# Allegro board 6089-103-RevB_76.brd
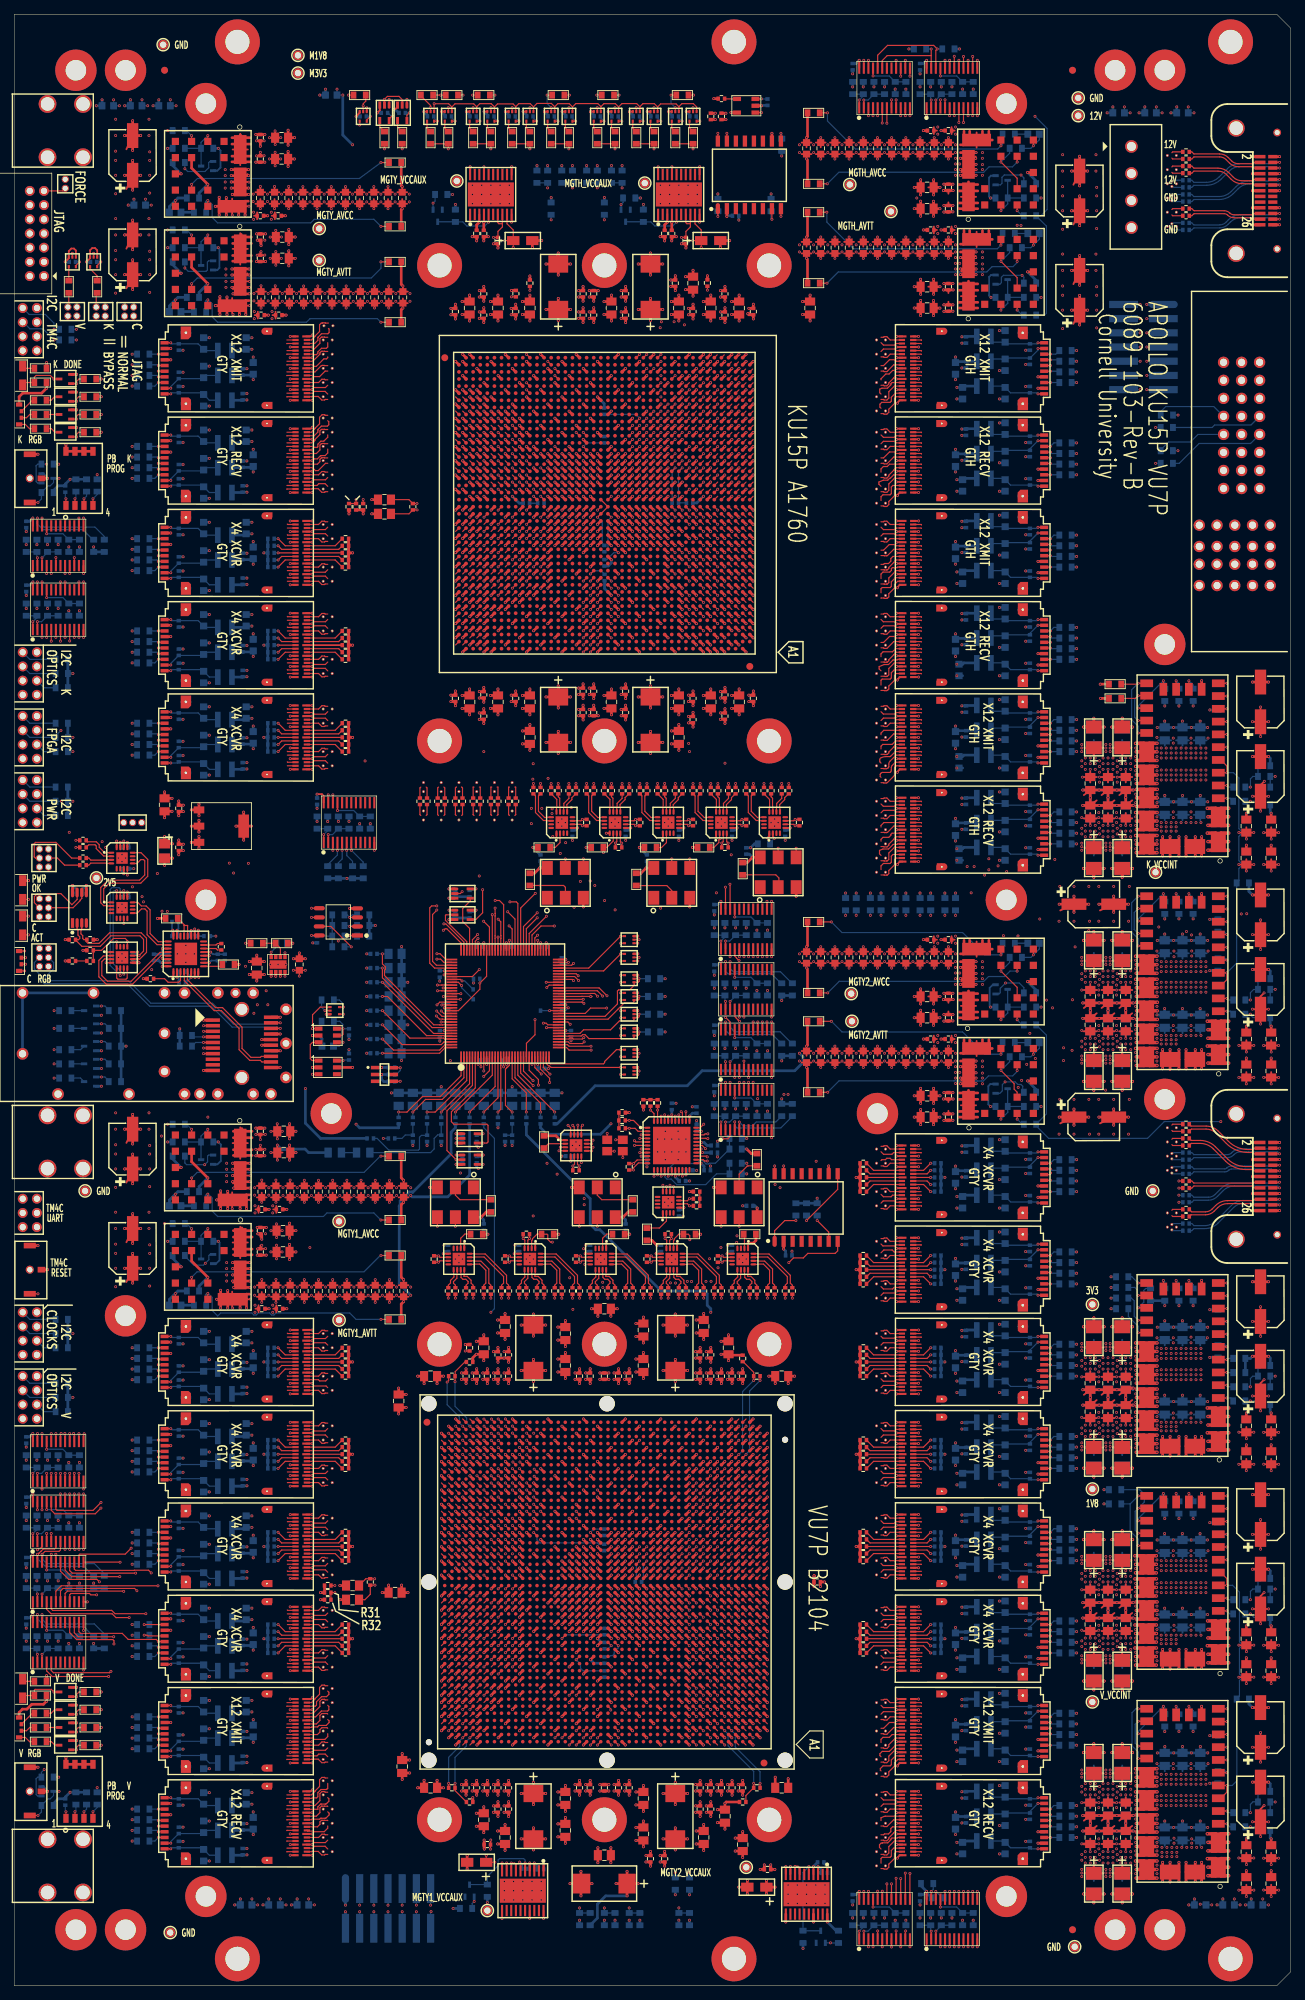
[diagram p0: board, top side]
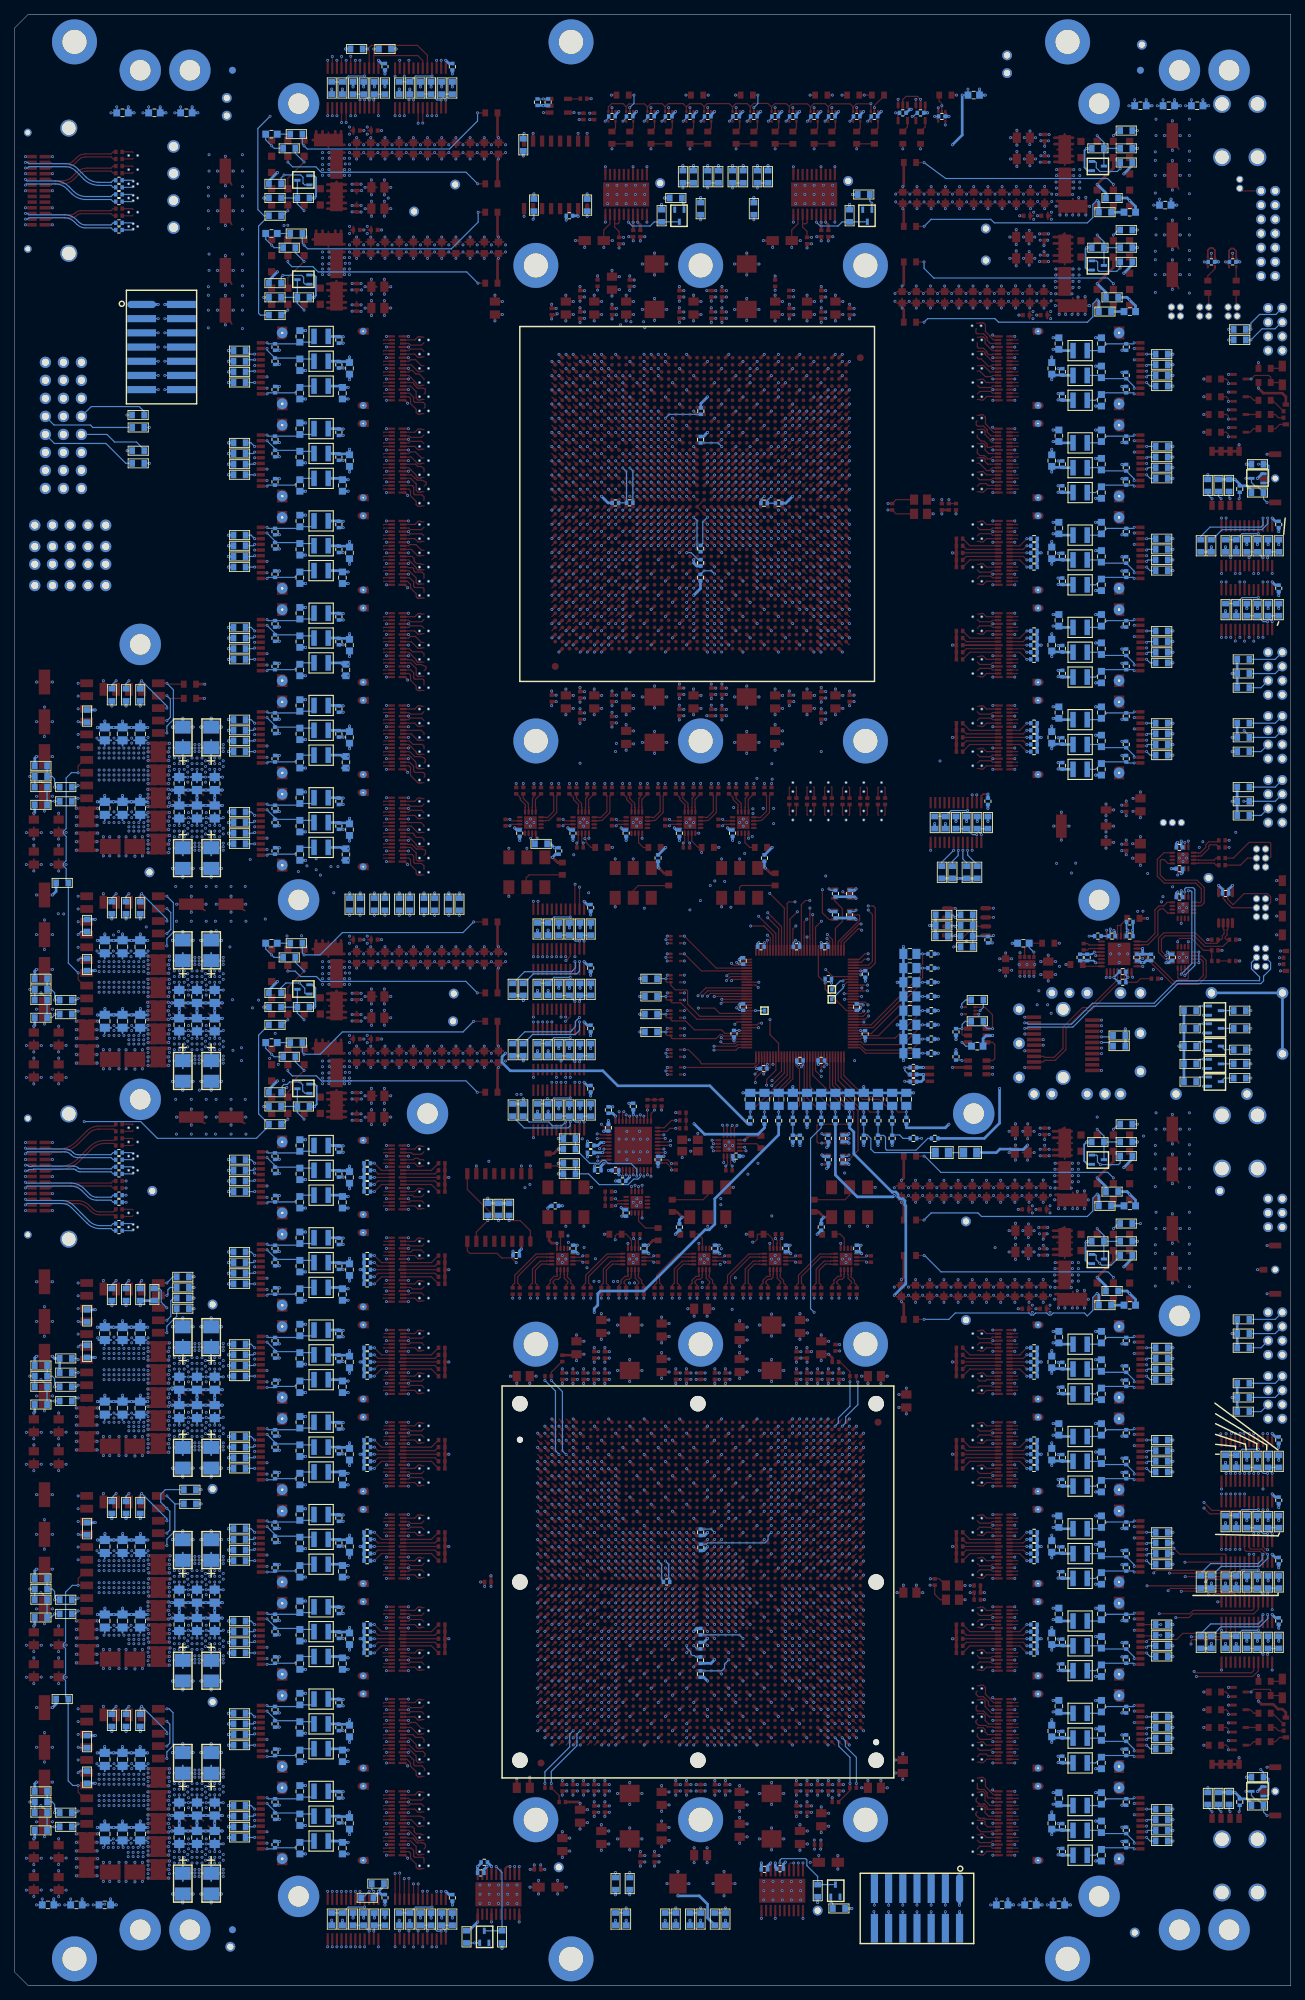
[diagram p1: board, bottom side, seen from below]

Outline 179.97 x 277.8 mm; copper layers: TOP, GND1, SIG1, GND2, SIG2, GND3, PWR1, PWR2, PWR3, PWR4, GND4, SIG3, GND5, SIG4, GND6, BOTTOM. Coordinates in mm from the lower left corner of the outline.
Outline path: 0,277.8 177.97,277.8 179.97,275.8 179.97,2 177.97,0 0,0 0,277.8

## Design rules (mm)
constraint set DEFAULT: min track width 0.165, pair gap 0.254
net group AC_V_TTS_OUT: nets AC_NV_TTS_OUT AC_PV_TTS_OUT
net group BC_V_TTC_IN: nets BC_NV_TTC_IN BC_PV_TTC_IN
net group DP_BC_MGT_V_TO_Z_1: nets BC_NMGT_V_TO_Z_1 BC_PMGT_V_TO_Z_1
net group DP_BC_MGT_V_TO_Z_2: nets BC_NMGT_V_TO_Z_2 BC_PMGT_V_TO_Z_2
net group DP_BC_V_UTIL_CLK_CHAN2: nets BC_NV_UTIL_CLK_CHAN2 BC_PV_UTIL_CLK_CHAN2
net group DP_FFLY_1_RX0: nets NK_FF1_RECV0 PK_FF1_RECV0
net group DP_FFLY_1_RX1: nets NK_FF1_RECV1 PK_FF1_RECV1
net group DP_FFLY_1_RX2: nets NK_FF1_RECV2 PK_FF1_RECV2
net group DP_FFLY_1_RX3: nets NK_FF1_RECV3 PK_FF1_RECV3
net group DP_FFLY_1_RX4: nets NK_FF1_RECV4 PK_FF1_RECV4
net group DP_FFLY_1_RX5: nets NK_FF1_RECV5 PK_FF1_RECV5
net group DP_FFLY_1_RX6: nets NK_FF1_RECV6 PK_FF1_RECV6
net group DP_FFLY_1_RX7: nets NK_FF1_RECV7 PK_FF1_RECV7
net group DP_FFLY_1_RX8: nets NK_FF1_RECV8 PK_FF1_RECV8
net group DP_FFLY_1_RX9: nets NK_FF1_RECV9 PK_FF1_RECV9
net group DP_FFLY_1_RX10: nets NK_FF1_RECV10 PK_FF1_RECV10
net group DP_FFLY_1_RX11: nets NK_FF1_RECV11 PK_FF1_RECV11
net group DP_FFLY_1_TX0: nets NK_FF1_XMIT0 PK_FF1_XMIT0
net group DP_FFLY_1_TX1: nets NK_FF1_XMIT1 PK_FF1_XMIT1
net group DP_FFLY_1_TX2: nets NK_FF1_XMIT2 PK_FF1_XMIT2
net group DP_FFLY_1_TX3: nets NK_FF1_XMIT3 PK_FF1_XMIT3
net group DP_FFLY_1_TX4: nets NK_FF1_XMIT4 PK_FF1_XMIT4
net group DP_FFLY_1_TX5: nets NK_FF1_XMIT5 PK_FF1_XMIT5
net group DP_FFLY_1_TX7: nets NK_FF1_XMIT7 PK_FF1_XMIT7
net group DP_FFLY_1_TX9: nets NK_FF1_XMIT9 PK_FF1_XMIT9
net group DP_FFLY_1_TX10: nets NK_FF1_XMIT10 PK_FF1_XMIT10
net group DP_FFLY_1_TX11: nets NK_FF1_XMIT11 PK_FF1_XMIT11
net group DP_FFLY_2_RX0: nets NK_FF2_RECV0 PK_FF2_RECV0
net group DP_FFLY_2_RX1: nets NK_FF2_RECV1 PK_FF2_RECV1
net group DP_FFLY_2_RX2: nets NK_FF2_RECV2 PK_FF2_RECV2
net group DP_FFLY_2_RX3: nets NK_FF2_RECV3 PK_FF2_RECV3
net group DP_FFLY_2_RX4: nets NK_FF2_RECV4 PK_FF2_RECV4
net group DP_FFLY_2_RX5: nets NK_FF2_RECV5 PK_FF2_RECV5
net group DP_FFLY_2_RX6: nets NK_FF2_RECV6 PK_FF2_RECV6
net group DP_FFLY_2_RX7: nets NK_FF2_RECV7 PK_FF2_RECV7
net group DP_FFLY_2_RX8: nets NK_FF2_RECV8 PK_FF2_RECV8
net group DP_FFLY_2_RX9: nets NK_FF2_RECV9 PK_FF2_RECV9
net group DP_FFLY_2_RX10: nets NK_FF2_RECV10 PK_FF2_RECV10
net group DP_FFLY_2_RX11: nets NK_FF2_RECV11 PK_FF2_RECV11
net group DP_FFLY_2_TX0: nets NK_FF2_XMIT0 PK_FF2_XMIT0
net group DP_FFLY_2_TX1: nets NK_FF2_XMIT1 PK_FF2_XMIT1
net group DP_FFLY_2_TX2: nets NK_FF2_XMIT2 PK_FF2_XMIT2
net group DP_FFLY_2_TX3: nets NK_FF2_XMIT3 PK_FF2_XMIT3
net group DP_FFLY_2_TX4: nets NK_FF2_XMIT4 PK_FF2_XMIT4
net group DP_FFLY_2_TX5: nets NK_FF2_XMIT5 PK_FF2_XMIT5
net group DP_FFLY_2_TX6: nets NK_FF2_XMIT6 PK_FF2_XMIT6
net group DP_FFLY_2_TX7: nets NK_FF2_XMIT7 PK_FF2_XMIT7
net group DP_FFLY_2_TX8: nets NK_FF2_XMIT8 PK_FF2_XMIT8
net group DP_FFLY_2_TX9: nets NK_FF2_XMIT9 PK_FF2_XMIT9
net group DP_FFLY_2_TX10: nets NK_FF2_XMIT10 PK_FF2_XMIT10
net group DP_FFLY_2_TX11: nets NK_FF2_XMIT11 PK_FF2_XMIT11
net group DP_FFLY_3_RX0: nets NK_FF3_RECV0 PK_FF3_RECV0
net group DP_FFLY_3_RX1: nets NK_FF3_RECV1 PK_FF3_RECV1
net group DP_FFLY_3_RX2: nets NK_FF3_RECV2 PK_FF3_RECV2
net group DP_FFLY_3_RX3: nets NK_FF3_RECV3 PK_FF3_RECV3
net group DP_FFLY_3_RX4: nets NK_FF3_RECV4 PK_FF3_RECV4
net group DP_FFLY_3_RX5: nets NK_FF3_RECV5 PK_FF3_RECV5
net group DP_FFLY_3_RX6: nets NK_FF3_RECV6 PK_FF3_RECV6
net group DP_FFLY_3_RX7: nets NK_FF3_RECV7 PK_FF3_RECV7
net group DP_FFLY_3_RX8: nets NK_FF3_RECV8 PK_FF3_RECV8
net group DP_FFLY_3_RX9: nets NK_FF3_RECV9 PK_FF3_RECV9
net group DP_FFLY_3_RX10: nets NK_FF3_RECV10 PK_FF3_RECV10
net group DP_FFLY_3_RX11: nets NK_FF3_RECV11 PK_FF3_RECV11
net group DP_FFLY_3_TX0: nets NK_FF3_XMIT0 PK_FF3_XMIT0
net group DP_FFLY_3_TX1: nets NK_FF3_XMIT1 PK_FF3_XMIT1
net group DP_FFLY_3_TX2: nets NK_FF3_XMIT2 PK_FF3_XMIT2
net group DP_FFLY_3_TX3: nets NK_FF3_XMIT3 PK_FF3_XMIT3
net group DP_FFLY_3_TX4: nets NK_FF3_XMIT4 PK_FF3_XMIT4
net group DP_FFLY_3_TX5: nets NK_FF3_XMIT5 PK_FF3_XMIT5
net group DP_FFLY_3_TX6: nets NK_FF3_XMIT6 PK_FF3_XMIT6
net group DP_FFLY_3_TX7: nets NK_FF3_XMIT7 PK_FF3_XMIT7
net group DP_FFLY_3_TX8: nets NK_FF3_XMIT8 PK_FF3_XMIT8
net group DP_FFLY_3_TX9: nets NK_FF3_XMIT9 PK_FF3_XMIT9
net group DP_FFLY_3_TX10: nets NK_FF3_XMIT10 PK_FF3_XMIT10
net group DP_FFLY_3_TX11: nets NK_FF3_XMIT11 PK_FF3_XMIT11
net group DP_FFLY_5_RX0: nets NK_FF5_RECV0 PK_FF5_RECV0
net group DP_FFLY_5_RX1: nets NK_FF5_RECV1 PK_FF5_RECV1
net group DP_FFLY_5_RX2: nets NK_FF5_RECV2 PK_FF5_RECV2
net group DP_FFLY_5_RX3: nets NK_FF5_RECV3 PK_FF5_RECV3
net group DP_FFLY_5_TX0: nets NK_FF5_XMIT0 PK_FF5_XMIT0
net group DP_FFLY_5_TX1: nets NK_FF5_XMIT1 PK_FF5_XMIT1
net group DP_FFLY_5_TX2: nets NK_FF5_XMIT2 PK_FF5_XMIT2
net group DP_FFLY_5_TX3: nets NK_FF5_XMIT3 PK_FF5_XMIT3
net group DP_FFLY_6_RX0: nets NK_FF6_RECV0 PK_FF6_RECV0
net group DP_FFLY_6_RX1: nets NK_FF6_RECV1 PK_FF6_RECV1
net group DP_FFLY_6_RX2: nets NK_FF6_RECV2 PK_FF6_RECV2
net group DP_FFLY_6_RX3: nets NK_FF6_RECV3 PK_FF6_RECV3
net group DP_FFLY_6_TX0: nets NK_FF6_XMIT0 PK_FF6_XMIT0
net group DP_FFLY_6_TX1: nets NK_FF6_XMIT1 PK_FF6_XMIT1
net group DP_FFLY_6_TX2: nets NK_FF6_XMIT2 PK_FF6_XMIT2
net group DP_FFLY_6_TX3: nets NK_FF6_XMIT3 PK_FF6_XMIT3
net group DP_K_FF1_XMIT6: nets NK_FF1_XMIT6 PK_FF1_XMIT6
net group DP_K_FF1_XMIT8: nets NK_FF1_XMIT8 PK_FF1_XMIT8
net group DP_K_FF4_RECV0: nets NK_FF4_RECV0 PK_FF4_RECV0
net group DP_K_FF4_RECV1: nets NK_FF4_RECV1 PK_FF4_RECV1
net group DP_K_FF4_RECV2: nets NK_FF4_RECV2 PK_FF4_RECV2
net group DP_K_FF4_RECV3: nets NK_FF4_RECV3 PK_FF4_RECV3
net group DP_K_FF4_XMIT0: nets NK_FF4_XMIT0 PK_FF4_XMIT0
net group DP_K_FF4_XMIT1: nets NK_FF4_XMIT1 PK_FF4_XMIT1
net group DP_K_FF4_XMIT2: nets NK_FF4_XMIT2 PK_FF4_XMIT2
net group DP_K_FF4_XMIT3: nets NK_FF4_XMIT3 PK_FF4_XMIT3
net group DP_KV_SPARE0: nets NKV_SPARE0 PKV_SPARE0
net group DP_KV_SPARE1: nets NKV_SPARE1 PKV_SPARE1
net group DP_KV_SPARE2: nets NKV_SPARE2 PKV_SPARE2
net group DP_KV_SPARE3: nets NKV_SPARE3 PKV_SPARE3
net group DP_KV_SPARE4: nets NKV_SPARE4 PKV_SPARE4
net group DP_KV_SPARE5: nets NKV_SPARE5 PKV_SPARE5
net group DP_KV_SPARE6: nets NKV_SPARE6 PKV_SPARE6
net group DP_KV_SPARE7: nets NKV_SPARE7 PKV_SPARE7
net group DP_KV_SPARE8: nets NKV_SPARE8 PKV_SPARE8
net group DP_KV_SPARE9: nets NKV_SPARE9 PKV_SPARE9
net group DP_KV_SPARE10: nets NKV_SPARE10 PKV_SPARE10
net group DP_KV_SPARE11: nets NKV_SPARE11 PKV_SPARE11
net group DP_KV_SPARE12: nets NKV_SPARE12 PKV_SPARE12
net group DP_100_OHM_PH: nets AC_NHIGH_PERF_CLK_IN AC_NK_CLK0_CHAN0 AC_NK_CLK0_CHAN1 AC_NK_CLK0_CHAN2 AC_NK_CLK0_CHAN4 AC_NK_CLK0_CHAN5 AC_NK_CLK0_CHAN6 AC_NK_CLK1_CHAN0 AC_NK_CLK1_CHAN1 AC_NK_CLK1_CHAN2 AC_NK_CLK1_CHAN4 AC_NK_CLK1_CHAN5 AC_NK_CLK1_CHAN6 AC_NK_TTC_CLK40 AC_NK_UTIL_CLK_CHAN0 AC_NK_UTIL_CLK_CHAN1 AC_NK_UTIL_CLK_CHAN2 AC_NLEGACY_CLK AC_NLHC_CLK_IN AC_NV_CLK0_CHAN0 AC_NV_CLK0_CHAN1 AC_NV_CLK0_CHAN2 AC_NV_CLK0_CHAN3 AC_NV_CLK0_CHAN4 AC_NV_CLK0_CHAN5 AC_NV_CLK0_CHAN6 AC_NV_CLK0_CHAN7 AC_NV_CLK1_CHAN0 AC_NV_CLK1_CHAN1 AC_NV_CLK1_CHAN2 AC_NV_CLK1_CHAN3 AC_NV_CLK1_CHAN4 AC_NV_CLK1_CHAN5 AC_NV_CLK1_CHAN6 AC_NV_CLK1_CHAN7 AC_NV_TTC_CLK40 AC_NV_UTIL_CLK_CHAN0 AC_NV_UTIL_CLK_CHAN1 AC_NV_UTIL_CLK_CHAN2 AC_NV_UTIL_CLK_CHAN3 AC_PHIGH_PERF_CLK_IN AC_PK_CLK0_CHAN0 AC_PK_CLK0_CHAN1 AC_PK_CLK0_CHAN2 AC_PK_CLK0_CHAN4 AC_PK_CLK0_CHAN5 AC_PK_CLK0_CHAN6 AC_PK_CLK1_CHAN0 AC_PK_CLK1_CHAN1 AC_PK_CLK1_CHAN2 AC_PK_CLK1_CHAN4 AC_PK_CLK1_CHAN5 AC_PK_CLK1_CHAN6 AC_PK_TTC_CLK40 AC_PK_UTIL_CLK_CHAN0 AC_PK_UTIL_CLK_CHAN1 AC_PK_UTIL_CLK_CHAN2 AC_PLEGACY_CLK AC_PLHC_CLK_IN AC_PV_CLK0_CHAN0 AC_PV_CLK0_CHAN1 AC_PV_CLK0_CHAN2 AC_PV_CLK0_CHAN3 AC_PV_CLK0_CHAN4 AC_PV_CLK0_CHAN5 AC_PV_CLK0_CHAN6 AC_PV_CLK0_CHAN7 AC_PV_CLK1_CHAN0 AC_PV_CLK1_CHAN1 AC_PV_CLK1_CHAN2 AC_PV_CLK1_CHAN3 AC_PV_CLK1_CHAN4 AC_PV_CLK1_CHAN5 AC_PV_CLK1_CHAN6 AC_PV_CLK1_CHAN7 AC_PV_TTC_CLK40 AC_PV_UTIL_CLK_CHAN0 AC_PV_UTIL_CLK_CHAN1 AC_PV_UTIL_CLK_CHAN2 AC_PV_UTIL_CLK_CHAN3 BC_NHIGH_QUAL_CLK_IN BC_NK_CLK0_CHAN0 BC_NK_CLK0_CHAN1 BC_NK_CLK0_CHAN2 BC_NK_CLK0_CHAN4 BC_NK_CLK0_CHAN5 BC_NK_CLK0_CHAN6 BC_NK_CLK1_CHAN0 BC_NK_CLK1_CHAN1 BC_NK_CLK1_CHAN2 BC_NK_CLK1_CHAN4 BC_NK_CLK1_CHAN5 BC_NK_CLK1_CHAN6 BC_NK_UTIL_CLK_CHAN0 BC_NK_UTIL_CLK_CHAN1 BC_NK_UTIL_CLK_CHAN2 BC_NLEGACY_CLK BC_NLHC_CLK_IN BC_NTTC_CLK40A BC_NV_CLK0_CHAN0 BC_NV_CLK0_CHAN1 BC_NV_CLK0_CHAN2 BC_NV_CLK0_CHAN3 BC_NV_CLK0_CHAN4 BC_NV_CLK0_CHAN5 BC_NV_CLK0_CHAN6 BC_NV_CLK0_CHAN7 BC_NV_CLK1_CHAN0 BC_NV_CLK1_CHAN1 BC_NV_CLK1_CHAN2 BC_NV_CLK1_CHAN3 BC_NV_CLK1_CHAN4 BC_NV_CLK1_CHAN5 BC_NV_CLK1_CHAN6 BC_NV_CLK1_CHAN7 BC_NV_UTIL_CLK_CHAN0 BC_NV_UTIL_CLK_CHAN1 BC_NV_UTIL_CLK_CHAN3 BC_PHIGH_QUAL_CLK_IN BC_PK_CLK0_CHAN0 BC_PK_CLK0_CHAN1 BC_PK_CLK0_CHAN2 BC_PK_CLK0_CHAN4 BC_PK_CLK0_CHAN5 BC_PK_CLK0_CHAN6 BC_PK_CLK1_CHAN0 BC_PK_CLK1_CHAN1 BC_PK_CLK1_CHAN2 BC_PK_CLK1_CHAN4 BC_PK_CLK1_CHAN5 BC_PK_CLK1_CHAN6 BC_PK_UTIL_CLK_CHAN0 BC_PK_UTIL_CLK_CHAN1 BC_PK_UTIL_CLK_CHAN2 BC_PLEGACY_CLK BC_PLHC_CLK_IN BC_PTTC_CLK40A BC_PV_CLK0_CHAN0 BC_PV_CLK0_CHAN1 BC_PV_CLK0_CHAN2 BC_PV_CLK0_CHAN3 BC_PV_CLK0_CHAN4 BC_PV_CLK0_CHAN5 BC_PV_CLK0_CHAN6 BC_PV_CLK0_CHAN7 BC_PV_CLK1_CHAN0 BC_PV_CLK1_CHAN1 BC_PV_CLK1_CHAN2 BC_PV_CLK1_CHAN3 BC_PV_CLK1_CHAN4 BC_PV_CLK1_CHAN5 BC_PV_CLK1_CHAN6 BC_PV_CLK1_CHAN7 BC_PV_UTIL_CLK_CHAN0 BC_PV_UTIL_CLK_CHAN1 BC_PV_UTIL_CLK_CHAN3 NCDR_DAT_CML NCDR_DATA NHIGH_PERF_CLK0 NHIGH_PERF_CLK1 NHIGH_PERF_CLK2 NHIGH_PERF_CLK3 NHIGH_PERF_CLK_BUF0 NHIGH_PERF_CLK_BUF1 NK_CDR_DATA NK_GTH_OSC NK_GTY_OSC NK_TEST_CONN_0 NK_TEST_CONN_1 NK_TEST_CONN_2 NK_TEST_CONN_3 NK_TEST_CONN_4 NK_TEST_CONN_5 NK_TTS_OUT NK_UTIL_CLK NSYNTH_CLK0 NSYNTH_CLK1 NSYNTH_CLK2 NSYNTH_CLK3 NTTCIN NTTCIN_CLK NTTCIN_CLK1 NTTCIN_CLK2 NTTCIN_DAT NTTS_OUT NV_CDR_DATA NV_GTY1_OSC NV_GTY2_OSC NV_TEST_CONN_0 NV_TEST_CONN_1 NV_TEST_CONN_2 NV_TEST_CONN_3 NV_TEST_CONN_4 NV_TEST_CONN_5 NV_TTS_OUT NV_UTIL_CLK NXTAL PCDR_DAT_CML PCDR_DATA PHIGH_PERF_CLK0 PHIGH_PERF_CLK1 PHIGH_PERF_CLK2 PHIGH_PERF_CLK3 PHIGH_PERF_CLK_BUF0 PHIGH_PERF_CLK_BUF1 PK_CDR_DATA PK_GTH_OSC PK_GTY_OSC PK_TEST_CONN_0 PK_TEST_CONN_1 PK_TEST_CONN_2 PK_TEST_CONN_3 PK_TEST_CONN_4 PK_TEST_CONN_5 PK_TTS_OUT PK_UTIL_CLK PSYNTH_CLK0 PSYNTH_CLK1 PSYNTH_CLK2 PSYNTH_CLK3 PTTCIN PTTCIN_CLK PTTCIN_CLK1 PTTCIN_CLK2 PTTCIN_DAT PTTS_OUT PV_CDR_DATA PV_GTY1_OSC PV_GTY2_OSC PV_TEST_CONN_0 PV_TEST_CONN_1 PV_TEST_CONN_2 PV_TEST_CONN_3 PV_TEST_CONN_4 PV_TEST_CONN_5 PV_TTS_OUT PV_UTIL_CLK PXTAL
net group PWR: nets VCC_2V5
net group SCS_MGT: nets AC_NC2C0_K_TO_V AC_NC2C0_V_TO_K AC_NC2C1_K_TO_V AC_NC2C1_V_TO_K AC_NC2C2_K_TO_V AC_NC2C2_V_TO_K AC_NK_TTC_IN AC_NK_TTS_OUT AC_NMGT_K_TO_Z_1 AC_NMGT_K_TO_Z_2 AC_NMGT_V_TO_Z_1 AC_NMGT_V_TO_Z_2 AC_NMGT_Z_TO_K_1 AC_NMGT_Z_TO_K_2 AC_NMGT_Z_TO_V_1 AC_NMGT_Z_TO_V_2 AC_NV_TTC_IN AC_PC2C0_K_TO_V AC_PC2C0_V_TO_K AC_PC2C1_K_TO_V AC_PC2C1_V_TO_K AC_PC2C2_K_TO_V AC_PC2C2_V_TO_K AC_PK_TTC_IN AC_PK_TTS_OUT AC_PMGT_K_TO_Z_1 AC_PMGT_K_TO_Z_2 AC_PMGT_V_TO_Z_1 AC_PMGT_V_TO_Z_2 AC_PMGT_Z_TO_K_1 AC_PMGT_Z_TO_K_2 AC_PMGT_Z_TO_V_1 AC_PMGT_Z_TO_V_2 AC_PV_TTC_IN BC_NC2C0_K_TO_V BC_NC2C0_V_TO_K BC_NC2C1_K_TO_V BC_NC2C1_V_TO_K BC_NC2C2_K_TO_V BC_NC2C2_V_TO_K BC_NK_TTC_IN BC_NK_TTS_OUT BC_NMGT_K_TO_Z_1 BC_NMGT_K_TO_Z_2 BC_NMGT_Z_TO_K_1 BC_NMGT_Z_TO_K_2 BC_NMGT_Z_TO_V_1 BC_NMGT_Z_TO_V_2 BC_NV_TTS_OUT BC_PC2C0_K_TO_V BC_PC2C0_V_TO_K BC_PC2C1_K_TO_V BC_PC2C1_V_TO_K BC_PC2C2_K_TO_V BC_PC2C2_V_TO_K BC_PK_TTC_IN BC_PK_TTS_OUT BC_PMGT_K_TO_Z_1 BC_PMGT_K_TO_Z_2 BC_PMGT_Z_TO_K_1 BC_PMGT_Z_TO_K_2 BC_PMGT_Z_TO_V_1 BC_PMGT_Z_TO_V_2 BC_PV_TTS_OUT NK_FF7_RECV0 NK_FF7_RECV1 NK_FF7_RECV2 NK_FF7_RECV3 NK_FF7_RECV4 NK_FF7_RECV5 NK_FF7_RECV6 NK_FF7_RECV7 NK_FF7_RECV8 NK_FF7_RECV9 NK_FF7_RECV10 NK_FF7_RECV11 NK_FF7_XMIT0 NK_FF7_XMIT1 NK_FF7_XMIT2 NK_FF7_XMIT3 NK_FF7_XMIT4 NK_FF7_XMIT5 NK_FF7_XMIT6 NK_FF7_XMIT7 NK_FF7_XMIT8 NK_FF7_XMIT9 NK_FF7_XMIT10 NK_FF7_XMIT11 NV_FF1_RECV0 NV_FF1_RECV1 NV_FF1_RECV2 NV_FF1_RECV3 NV_FF1_XMIT0 NV_FF1_XMIT1 NV_FF1_XMIT2 NV_FF1_XMIT3 NV_FF2_RECV0 NV_FF2_RECV1 NV_FF2_RECV2 NV_FF2_RECV3 NV_FF2_XMIT0 NV_FF2_XMIT1 NV_FF2_XMIT2 NV_FF2_XMIT3 NV_FF3_RECV0 NV_FF3_RECV1 NV_FF3_RECV2 NV_FF3_RECV3 NV_FF3_XMIT0 NV_FF3_XMIT1 NV_FF3_XMIT2 NV_FF3_XMIT3 NV_FF4_RECV0 NV_FF4_RECV1 NV_FF4_RECV2 NV_FF4_RECV3 NV_FF4_XMIT0 NV_FF4_XMIT1 NV_FF4_XMIT2 NV_FF4_XMIT3 NV_FF5_RECV0 NV_FF5_RECV1 NV_FF5_RECV2 NV_FF5_RECV3 NV_FF5_XMIT0 NV_FF5_XMIT1 NV_FF5_XMIT2 NV_FF5_XMIT3 NV_FF6_RECV0 NV_FF6_RECV1 NV_FF6_RECV2 NV_FF6_RECV3 NV_FF6_XMIT0 NV_FF6_XMIT1 NV_FF6_XMIT2 NV_FF6_XMIT3 NV_FF7_RECV0 NV_FF7_RECV1 NV_FF7_RECV2 NV_FF7_RECV3 NV_FF7_XMIT0 NV_FF7_XMIT1 NV_FF7_XMIT2 NV_FF7_XMIT3 NV_FF8_RECV0 NV_FF8_RECV1 NV_FF8_RECV2 NV_FF8_RECV3 NV_FF8_XMIT0 NV_FF8_XMIT1 NV_FF8_XMIT2 NV_FF8_XMIT3 NV_FF9_RECV0 NV_FF9_RECV1 NV_FF9_RECV2 NV_FF9_RECV3 NV_FF9_XMIT0 NV_FF9_XMIT1 NV_FF9_XMIT2 NV_FF9_XMIT3 NV_FF10_RECV0 NV_FF10_RECV1 NV_FF10_RECV2 NV_FF10_RECV3 NV_FF10_XMIT0 NV_FF10_XMIT1 NV_FF10_XMIT2 NV_FF10_XMIT3 NV_FF11_RECV0 NV_FF11_RECV1 NV_FF11_RECV2 NV_FF11_RECV3 NV_FF11_RECV4 NV_FF11_RECV5 NV_FF11_RECV6 NV_FF11_RECV7 NV_FF11_RECV8 NV_FF11_RECV9 NV_FF11_RECV10 NV_FF11_RECV11 NV_FF11_XMIT0 NV_FF11_XMIT1 NV_FF11_XMIT2 NV_FF11_XMIT3 NV_FF11_XMIT4 NV_FF11_XMIT5 NV_FF11_XMIT6 NV_FF11_XMIT7 NV_FF11_XMIT8 NV_FF11_XMIT9 NV_FF11_XMIT10 NV_FF11_XMIT11 NV_FF12_RECV0 NV_FF12_RECV1 NV_FF12_RECV2 NV_FF12_RECV3 NV_FF12_RECV4 NV_FF12_RECV5 NV_FF12_RECV6 NV_FF12_RECV7 NV_FF12_RECV8 NV_FF12_RECV9 NV_FF12_RECV10 NV_FF12_RECV11 NV_FF12_XMIT0 NV_FF12_XMIT1 NV_FF12_XMIT2 NV_FF12_XMIT3 NV_FF12_XMIT4 NV_FF12_XMIT5 NV_FF12_XMIT6 NV_FF12_XMIT7 NV_FF12_XMIT8 NV_FF12_XMIT9 NV_FF12_XMIT10 NV_FF12_XMIT11 PK_FF7_RECV0 PK_FF7_RECV1 PK_FF7_RECV2 PK_FF7_RECV3 PK_FF7_RECV4 PK_FF7_RECV5 PK_FF7_RECV6 PK_FF7_RECV7 PK_FF7_RECV8 PK_FF7_RECV9 PK_FF7_RECV10 PK_FF7_RECV11 PK_FF7_XMIT0 PK_FF7_XMIT1 PK_FF7_XMIT2 PK_FF7_XMIT3 PK_FF7_XMIT4 PK_FF7_XMIT5 PK_FF7_XMIT6 PK_FF7_XMIT7 PK_FF7_XMIT8 PK_FF7_XMIT9 PK_FF7_XMIT10 PK_FF7_XMIT11 PV_FF1_RECV0 PV_FF1_RECV1 PV_FF1_RECV2 PV_FF1_RECV3 PV_FF1_XMIT0 PV_FF1_XMIT1 PV_FF1_XMIT2 PV_FF1_XMIT3 PV_FF2_RECV0 PV_FF2_RECV1 PV_FF2_RECV2 PV_FF2_RECV3 PV_FF2_XMIT0 PV_FF2_XMIT1 PV_FF2_XMIT2 PV_FF2_XMIT3 PV_FF3_RECV0 PV_FF3_RECV1 PV_FF3_RECV2 PV_FF3_RECV3 PV_FF3_XMIT0 PV_FF3_XMIT1 PV_FF3_XMIT2 PV_FF3_XMIT3 PV_FF4_RECV0 PV_FF4_RECV1 PV_FF4_RECV2 PV_FF4_RECV3 PV_FF4_XMIT0 PV_FF4_XMIT1 PV_FF4_XMIT2 PV_FF4_XMIT3 PV_FF5_RECV0 PV_FF5_RECV1 PV_FF5_RECV2 PV_FF5_RECV3 PV_FF5_XMIT0 PV_FF5_XMIT1 PV_FF5_XMIT2 PV_FF5_XMIT3 PV_FF6_RECV0 PV_FF6_RECV1 PV_FF6_RECV2 PV_FF6_RECV3 PV_FF6_XMIT0 PV_FF6_XMIT1 PV_FF6_XMIT2 PV_FF6_XMIT3 PV_FF7_RECV0 PV_FF7_RECV1 PV_FF7_RECV2 PV_FF7_RECV3 PV_FF7_XMIT0 PV_FF7_XMIT1 PV_FF7_XMIT2 PV_FF7_XMIT3 PV_FF8_RECV0 PV_FF8_RECV1 PV_FF8_RECV2 PV_FF8_RECV3 PV_FF8_XMIT0 PV_FF8_XMIT1 PV_FF8_XMIT2 PV_FF8_XMIT3 PV_FF9_RECV0 PV_FF9_RECV1 PV_FF9_RECV2 PV_FF9_RECV3 PV_FF9_XMIT0 PV_FF9_XMIT1 PV_FF9_XMIT2 PV_FF9_XMIT3 PV_FF10_RECV0 PV_FF10_RECV1 PV_FF10_RECV2 PV_FF10_RECV3 PV_FF10_XMIT0 PV_FF10_XMIT1 PV_FF10_XMIT2 PV_FF10_XMIT3 PV_FF11_RECV0 PV_FF11_RECV1 PV_FF11_RECV2 PV_FF11_RECV3 PV_FF11_RECV4 PV_FF11_RECV5 PV_FF11_RECV6 PV_FF11_RECV7 PV_FF11_RECV8 PV_FF11_RECV9 PV_FF11_RECV10 PV_FF11_RECV11 PV_FF11_XMIT0 PV_FF11_XMIT1 PV_FF11_XMIT2 PV_FF11_XMIT3 PV_FF11_XMIT4 PV_FF11_XMIT5 PV_FF11_XMIT6 PV_FF11_XMIT7 PV_FF11_XMIT8 PV_FF11_XMIT9 PV_FF11_XMIT10 PV_FF11_XMIT11 PV_FF12_RECV0 PV_FF12_RECV1 PV_FF12_RECV2 PV_FF12_RECV3 PV_FF12_RECV4 PV_FF12_RECV5 PV_FF12_RECV6 PV_FF12_RECV7 PV_FF12_RECV8 PV_FF12_RECV9 PV_FF12_RECV10 PV_FF12_RECV11 PV_FF12_XMIT0 PV_FF12_XMIT1 PV_FF12_XMIT2 PV_FF12_XMIT3 PV_FF12_XMIT4 PV_FF12_XMIT5 PV_FF12_XMIT6 PV_FF12_XMIT7 PV_FF12_XMIT8 PV_FF12_XMIT9 PV_FF12_XMIT10 PV_FF12_XMIT11

## Placement (name value [footprint] x y rotation side)
BR1  BRACKET  [KEYSTONE_7761]  4.7 261.4 270 top
BR2  BRACKET  [KEYSTONE_7761]  4.7 118.9 270 top
BR3  BRACKET  [KEYSTONE_7761]  4.7 16.9 270 top
C1  0.1 UF  [CAPC_EIA0402]  9.7 161.4 180 top
C2  0.1 UF  [CAPC_EIA0402]  9.7 160.4 180 top
C3  0.1 UF  [CAPC_EIA0402]  9.7 158.9 180 top
C4  0.1 UF  [CAPC_EIA0402]  9.7 157.9 180 top
C5  120 UF  [CAP_PANASONIC_C6]  16.7 257.9 90 top
C6  120 UF  [CAP_PANASONIC_C6]  16.7 243.9 90 top
C7  120 UF  [CAP_PANASONIC_C6]  16.7 117.9 90 top
C8  120 UF  [CAP_PANASONIC_C6]  16.7 103.9 90 top
C9  0.1 UF  [CAPC_EIA0402]  19.2 141.9 180 top
C10  10 UF  [CAPC_EIA0805]  21.2 166.4 90 top
C11  22 UF  [CAPCP_2012]  21.2 159.9 270 top
C12  0.1 UF  [CAPC_EIA0402]  23.2 165.9 90 top
C13  0.1 UF  [CAPC_EIA0402]  23.2 160.4 270 top
C14  0.47 UF  [CAPC_EIA0402]  29.2 146.4 270 top
C15  10 UF  [CAPC_EIA0805]  34.2 143.4 90 top
C16  0.1 UF  [CAPC_EIA0402]  34.7 260.4 90 top
C17  0.047 UF  [CAPC_EIA0402]  34.7 257.4 270 top
C18  22 UF  [CAPC_EIA0603]  34.7 251.9 90 top
C19  0.047 UF  [CAPC_EIA0402]  34.7 249.4 0 top
C20  0.1 UF  [CAPC_EIA0402]  34.7 246.4 90 top
C21  0.047 UF  [CAPC_EIA0402]  34.7 243.4 270 top
C22  0.1 UF  [CAPC_EIA0402]  34.7 120.4 90 top
C23  0.047 UF  [CAPC_EIA0402]  34.7 117.4 270 top
C24  0.1 UF  [CAPC_EIA0402]  34.7 106.4 90 top
C25  0.047 UF  [CAPC_EIA0402]  34.7 103.4 270 top
C26  22 UF  [CAPC_EIA0603]  34.8 237.9 90 top
C27  0.047 UF  [CAPC_EIA0402]  34.8 235.4 0 top
C28  22 UF  [CAPC_EIA0603]  34.9 111.9 90 top
C29  0.047 UF  [CAPC_EIA0402]  34.9 109.4 0 top
C30  22 UF  [CAPC_EIA0603]  34.9 97.9 90 top
C31  0.047 UF  [CAPC_EIA0402]  34.9 95.4 0 top
C32  22 UF  [CAPC_EIA0603]  36.7 251.9 90 top
C33  22 UF  [CAPC_EIA0603]  36.8 237.9 90 top
C34  22 UF  [CAPC_EIA0603]  36.9 111.9 90 top
C35  22 UF  [CAPC_EIA0603]  36.9 97.9 90 top
C36  0.1 UF  [CAPC_EIA0402]  37.2 249.4 0 top
C37  0.1 UF  [CAPC_EIA0402]  37.3 235.4 0 top
C38  0.1 UF  [CAPC_EIA0402]  37.4 109.4 0 top
C39  0.1 UF  [CAPC_EIA0402]  37.4 95.4 0 top
C40  22 UF  [CAPC_EIA0805]  37.7 260.4 0 top
C41  22 UF  [CAPC_EIA0805]  37.7 257.4 0 top
C42  22 UF  [CAPC_EIA0805]  37.8 246.4 0 top
C43  22 UF  [CAPC_EIA0805]  37.8 243.4 0 top
C44  22 UF  [CAPC_EIA0805]  37.9 106.4 0 top
C45  22 UF  [CAPC_EIA0805]  37.9 103.4 0 top
C46  22 UF  [CAPC_EIA0805]  38 120.4 0 top
C47  22 UF  [CAPC_EIA0805]  38 117.4 0 top
C48  22 UF  [CAPC_EIA0603]  38.7 251.9 90 top
C49  22 UF  [CAPC_EIA0603]  38.8 237.9 90 top
C50  22 UF  [CAPC_EIA0603]  38.9 111.9 90 top
C51  22 UF  [CAPC_EIA0603]  38.9 97.9 90 top
C52  22 UF  [CAPC_EIA0603]  40.2 143.9 90 top
C53  22 UF  [CAPC_EIA0603]  40.7 251.9 90 top
C54  22 UF  [CAPC_EIA0603]  40.8 237.9 90 top
C55  22 UF  [CAPC_EIA0603]  40.9 111.9 90 top
C56  22 UF  [CAPC_EIA0603]  40.9 97.9 90 top
C57  22 UF  [CAPC_EIA0603]  42.7 251.9 90 top
C58  22 UF  [CAPC_EIA0603]  42.8 237.9 90 top
C59  22 UF  [CAPC_EIA0603]  42.9 111.9 90 top
C60  22 UF  [CAPC_EIA0603]  42.9 97.9 90 top
C61  22 UF  [CAPC_EIA0603]  44.7 251.9 90 top
C62  22 UF  [CAPC_EIA0603]  44.8 237.9 90 top
C63  22 UF  [CAPC_EIA0603]  44.9 111.9 90 top
C64  22 UF  [CAPC_EIA0603]  44.9 97.9 90 top
C65  22 UF  [CAPC_EIA0603]  46.7 251.9 90 top
C66  22 UF  [CAPC_EIA0603]  46.8 237.9 90 top
C67  22 UF  [CAPC_EIA0603]  46.9 111.9 90 top
C68  22 UF  [CAPC_EIA0603]  46.9 97.9 90 top
C69  22 UF  [CAPC_EIA0603]  48.7 251.9 90 top
C70  22 UF  [CAPC_EIA0603]  48.8 237.9 90 top
C71  22 UF  [CAPC_EIA0603]  48.9 111.9 90 top
C72  22 UF  [CAPC_EIA0603]  48.9 97.9 90 top
C73  0.47 UF  [CAPC_EIA0402]  50.2 56.9 270 top
C74  22 UF  [CAPC_EIA0603]  50.7 251.9 90 top
C75  22 UF  [CAPC_EIA0603]  50.8 237.9 90 top
C76  22 UF  [CAPC_EIA0603]  50.9 111.9 90 top
C77  22 UF  [CAPC_EIA0603]  50.9 97.9 90 top
C78  0.1 UF  [CAPC_EIA0402]  88 56.9 0 bottom
C79  22 UF  [CAPC_EIA0603]  52.7 251.9 90 top
C80  22 UF  [CAPC_EIA0603]  52.8 237.9 90 top
C81  22 UF  [CAPC_EIA0603]  52.9 111.9 90 top
C82  22 UF  [CAPC_EIA0603]  52.9 97.9 90 top
C83  47 UF  [CAPC_EIA0805]  53.7 55.4 180 top
C84  47 UF  [CAPC_EIA0805]  54.2 82.4 90 top
C85  22 UF  [CAPC_EIA0603]  54.7 251.9 90 top
C86  47 UF  [CAPC_EIA0805]  54.7 30.9 270 top
C87  22 UF  [CAPC_EIA0603]  54.8 237.9 90 top
C88  22 UF  [CAPC_EIA0603]  54.9 111.9 90 top
C89  22 UF  [CAPC_EIA0603]  54.9 97.9 90 top
C90  0.1 UF  [CAPC_EIA0402]  83.2 202.5 90 bottom
C91  0.47 UF  [CAPC_EIA0402]  56.2 208.4 270 top
C92  0.1 UF  [CAPC_EIA0402]  57.2 166.9 270 top
C93  0.1 UF  [CAPC_EIA0402]  58.2 166.9 270 top
C94  47 UF  [CAPC_EIA0805]  58.7 85.9 180 top